# Altium PCB PCB1.PcbDoc
Units mil, origin at the board's own origin, x right, y up, seen from the top; angles counter-clockwise.
Board outline 3346.46 x 1771.65 mil, 2 copper layers (Top Layer, Bottom Layer); 34 components, 31 nets, 165 pads, 25 vias.
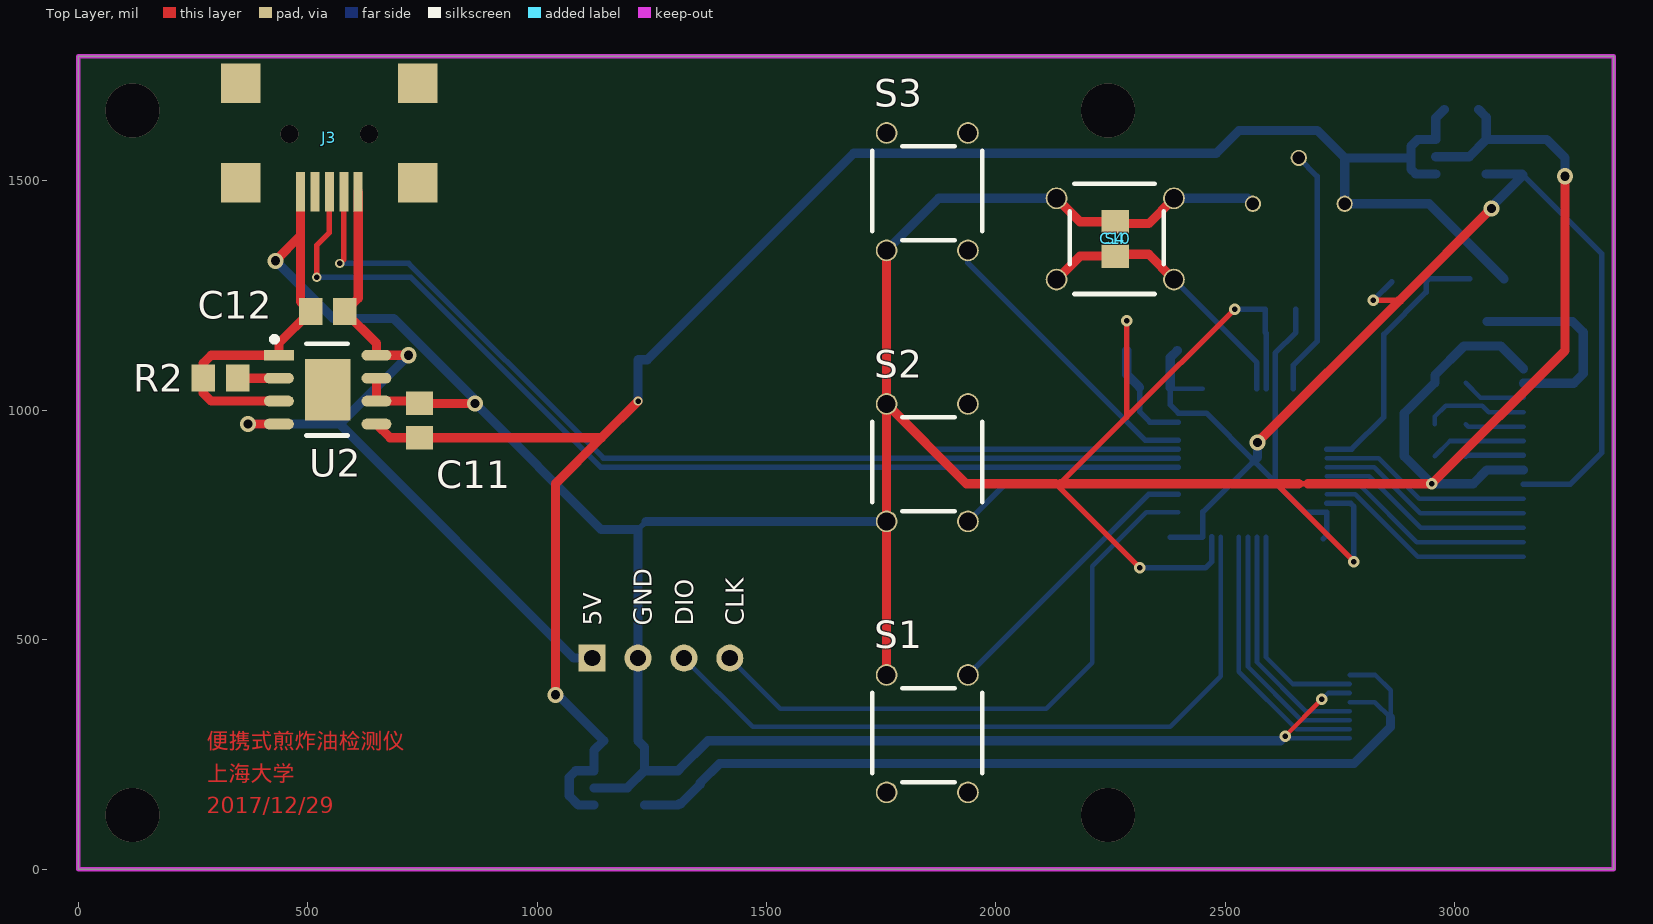
[diagram p0: Top Layer view]
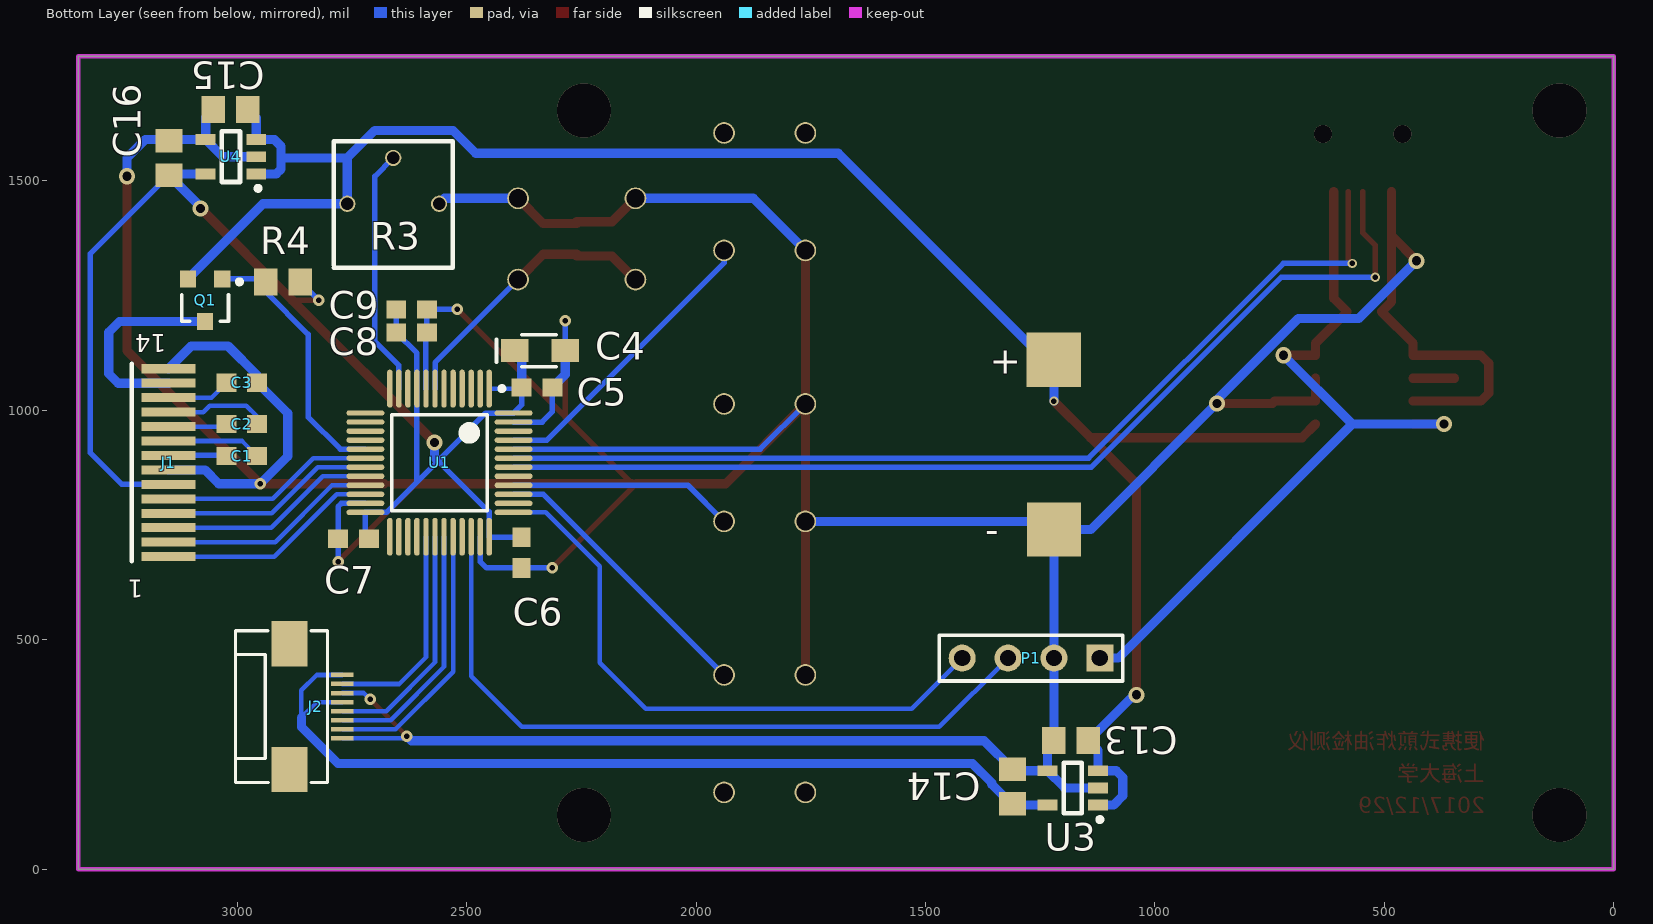
[diagram p1: Bottom Layer view, seen from below]

## Layer stack, top to bottom
Top Solder: solder mask 0.4, Solder Resist, Dk 3.5
Top Layer: signal copper 1.4
Dielectric 1: dielectric 12.6, FR-4, Dk 4.8
Bottom Layer: signal copper 1.4
Bottom Solder: solder mask 0.4, Solder Resist, Dk 3.5

## Board outline
0,0 3346.46,0 3346.46,1771.65 0,1771.65

## Design rules (kind name [scope] priority, off if disabled: settings)
Clearance Clearance_1 [InPolygon] p1: gap=20 ignorepadtopadclearanceinfootprint=FALSE
Clearance [All] p2: gap=6 ignorepadtopadclearanceinfootprint=FALSE
ComponentClearance [All] p1: gap=0 collisioncheckmode=3 verticalgap=0 showdistances=FALSE
PolygonConnect [All] p1: connectstyle=Relief reliefconductorwidth=10 reliefentries=4 polygonreliefangle="90 Angle" airgapwidth=10
RoutingVias [All] p1: holewidth=15.75 width=27.56 viastyle="Through Hole" minholewidth=12 minwidth=20 maxholewidth=1000 maxwidth=1000
SolderMaskExpansion [All] p1: expansion=4
Width [All] p1: maxlimit=100 minlimit=10 preferedwidth=10
29 further rules are at their usual default settings.

## Classes and differential pairs
component class 电源: + - C11 C12 C13 C14 C15 C16 C20 J3 P1 Q1 R2 R3 R4 U2 U3 U4 U6
component class 主控: C4 C5 C6 C7 C8 C9 C10 J2 S1 S2 S3 S4 U1
component class LCD: C1 C2 C3 J1

## Components (designator, comment, footprint, x,y, rotation, side; value= is the part's Value field where it differs from the comment)
+ "pad" PAD_3X3 1220,1110 r180 bottom (schematic designator J4)
- "pad" PAD_3X3 1219.49,740 r180 bottom (schematic designator J5)
C1 "Cap" 0603-2 2990,900 r180 bottom value=1uF
C2 "Cap" 0603-2 2990,970 r180 bottom value=1uF
C3 "Cap" 0603-2 2990,1060 r180 bottom value=1uF
C4 "Cap Pol" CAP-3216 2340,1130 r180 bottom value=10uf
C5 "Cap" 0603-2 2346.54,1050 r180 bottom value=100nF
C6 "Cap" 0603-2 2380,690 r270 bottom value=100nF
C7 "Cap" 0603-2 2746.54,720 r0 bottom value=100nF
C8 "Cap" 0603-2 2620,1170 r0 bottom value=1uF
C9 "Cap" 0603-2 2620,1220 r0 bottom value=100nF
C10 "Cap" 0805-2 2260,1373.46 r90 top value=100nF
C11 "Cap" 0805-2 743.7,977.6 r270 top value=10uF
C12 "Cap" 0805-2 543.7,1215 r180 top value=10uF
C13 "Cap" 0805-2 1182.6,280 r0 bottom value=1uF
C14 "Cap" 0805-2 1310,180 r270 bottom value=1uF
C15 "Cap" 0805-2 3014.57,1655.55 r0 bottom value=1uF
C16 "Cap" 0805-2 3148.7,1550 r270 bottom value=1uF
J1 "JLX12864" JLX12864 3149.61,885.83 r0 bottom locked
J2 "FPC-8P" FPC0.5-8P-C 2795.28,354.33 r0 bottom locked
J3 "MiniUSB" "MINI USB" 547.24,1476.38 r180 top locked
P1 "Header 4" HDR1X4 1120,460 r0 bottom
Q1 "SI2301" SOT-23 3070,1240 r0 bottom
R2 "Res1" 0805-2 310,1070 r0 top value=470K
R3 "3362" 3362P 2560,1450 r0 bottom value=100k
R4 "Res1" 0805-2 2900,1280 r0 bottom value=470K
S1 "SW_6x6" BUTTON_6X6 1850.39,295.28 r90 top locked
S2 "SW_6x6" BUTTON_6X6 1850.39,885.83 r90 top locked
S3 "SW_6x6" BUTTON_6X6 1850.39,1476.38 r90 top locked
S4 "SW_6x6" BUTTON_6X6 2260,1373.46 r180 top
U1 "STM32F103C" LQFP-48_M 2559.06,885.83 r270 bottom locked
U2 "TP4056" SOP-8-PP 437.4,1120 r0 top
U3 "LP5907MF-x.x" SOT-23-5 1180,180 r0 bottom
U4 "LP5907MF-x.x" SOT-23-5 3014.57,1555.55 r0 bottom

## Footprints (in the part's own frame and the unit in brackets; to place one, negate y for a bottom-side part, rotate by r counter-clockwise, add the part's x,y. Pads: shape width x height; smd on the part's side, far side on the other; paste and mask are expansions set on the pad)
0603-2 [mm] "贴片无丝印"
  rect 1.1x1 smd: 1(-0.85,0) 2(0.85,0)
0805-2 [mm] "贴片无丝印"
  rect 1.3x1.5 smd: 1(-0.95,0) 2(0.95,0)
3362P [mm] "精密可调电阻"
  round 0.9 hole 0.7: 1(0,0) 2(2.54,-2.54) 3(5.08,0)
  silkscreen extent -0.76,-3.47 5.84,3.53, body extent -0.76,-3.49 5.84,3.49, height 4.7
BUTTON_6X6 [mm] "轻触开关6x6"
  round 1.2 hole 1: 1(-3.25,2.25) 2(3.25,2.25) 3(-3.25,-2.25) 4(3.25,-2.25)
  silkscreen extent -2.69,-3.05 2.52,3.05
CAP-3216 [mil] "钽电容"
  rect 60x50 smd: 1(-55,0) 2(55,0)
  silkscreen extent -95,-35 35,35
FPC0.5-8P-C [mm] "FPC连接器母座，0.5mm间距，8P,掀盖式"
  rect 1.25x0.25 smd: 1(-0.625,1.75) 2(-0.625,1.25) 3(-0.625,0.75) 4(-0.625,0.25) 5(-0.625,-0.25) 6(-0.625,-0.75) 7(-0.625,-1.25) 8(-0.625,-1.75)
  rect 2x2.5 smd: A(2.3,-3.475) B(2.3,3.475)
  silkscreen extent 0.2,-4.2 5.3,4.2, body extent 0.2,-4.18 5.3,4.2, height 2
HDR1X4 [mm] "Connector; Header; 4 Position"
  rect 1.5x1.5 hole 0.9: 1(0,0)
  round 1.5 hole 0.9: 2(2.54,0) 3(5.08,0) 4(7.62,0)
  silkscreen extent -1.27,-1.27 8.89,1.27
JLX12864 [mm] "12864点阵屏FPC引脚"
  rect 3x0.5 smd: 1(0,5.2) 1(0,5.2) 2(0,4.4) 3(0,3.6) 4(0,2.8) 5(0,2) 6(0,1.2) 7(0,0.4) 8(0,-0.4) 9(0,-1.2) 10(0,-2) 11(0,-2.8) 12(0,-3.6) 13(0,-4.4) 14(0,-5.2)
  silkscreen extent 2.03,-5.47 2.03,5.45
LQFP-48_M [mm] "Thin QFP, 48-Leads, Body 7x7mm, Pitch 0.5mm, IPC Low Density"
  oval 2.1x0.3 smd: 1(-4.1,2.75) 2(-4.1,2.25) 3(-4.1,1.75) 4(-4.1,1.25) 5(-4.1,0.75) 6(-4.1,0.25) 7(-4.1,-0.25) 8(-4.1,-0.75) 9(-4.1,-1.25) 10(-4.1,-1.75) 11(-4.1,-2.25) 12(-4.1,-2.75) 25(4.1,-2.75) 26(4.1,-2.25) 27(4.1,-1.75) 28(4.1,-1.25) 29(4.1,-0.75) 30(4.1,-0.25) 31(4.1,0.25) 32(4.1,0.75) 33(4.1,1.25) 34(4.1,1.75) 35(4.1,2.25) 36(4.1,2.75)
  oval 0.3x2.1 smd: 13(-2.75,-4.1) 14(-2.25,-4.1) 15(-1.75,-4.1) 16(-1.25,-4.1) 17(-0.75,-4.1) 18(-0.25,-4.1) 19(0.25,-4.1) 20(0.75,-4.1) 21(1.25,-4.1) 22(1.75,-4.1) 23(2.25,-4.1) 24(2.75,-4.1) 37(2.75,4.1) 38(2.25,4.1) 39(1.75,4.1) 40(1.25,4.1) 41(0.75,4.1) 42(0.25,4.1) 43(-0.25,4.1) 44(-0.75,4.1) 45(-1.25,4.1) 46(-1.75,4.1) 47(-2.25,4.1) 48(-2.75,4.1)
  silkscreen extent -4.22,-2.65 2.65,3.57, body extent -3.5,-3.5 3.5,3.5, height 1.6
"MINI USB" [mm]
  rect 2.2x2.2 smd: 0(-4.9,-0.5) 0(-4.9,-6) 0(4.9,-0.5) 0(4.9,-6)
  rect 0.5x2.2 smd: 1(-1.6,0) 2(-0.8,0) 3(0,0) 4(0.8,0) 5(1.6,0)
PAD_3X3 [mm]
  rect 3x3 smd: 1(-0.013,0)
SOP-8-PP [mm]
  rect 2.5x3.4 smd: 0(2.7,-1.905)
  rect 1.65x0.6 smd: 1(0,0)
  oval 1.65x0.6 smd: 2(0,-1.27) 3(0,-2.54) 4(0,-3.81) 5(5.4,-3.81) 6(5.4,-2.54) 7(5.4,-1.27) 8(5.4,0)
  silkscreen extent -0.4,-4.44 3.81,1.03, body extent -0.45,-4.42 5.75,0.58, height 1.75
SOT-23 [mm]
  rect 0.9x0.95 smd: 1(-0.95,-1.175) 2(0.95,-1.175) 3(0,1.175)
  silkscreen extent -2.03,-1.14 1.3,1.18
SOT-23-5 [mm]
  rect 1.1x0.6 smd: 1(-1.425,1.025) 2(-1.425,0.075) 3(-1.425,-0.875) 4(1.375,-0.875) 5(1.375,1.025)
  silkscreen extent -1.65,-1.32 0.47,1.95

## Part data
+ -: library part pad_3x3, "焊盘接口"
C1 C2 C3 C5 C6 C7 C8 C9 C10 C11 C12 C13 C14 C15 C16: "无极性电容", LatestRevisionDate=17-Jul-2002, LatestRevisionNote="Re-released for DXP Platform.", PackageReference=RAD-0.3, Published=8-Jun-2000, Publisher="Altium Limited"
C4: "极性电解电容", LatestRevisionDate=17-Jul-2002, LatestRevisionNote="Re-released for DXP Platform.", PackageReference=RB7.6-15, Published=8-Jun-2000, Publisher="Altium Limited", Vol=16V
J1: "12864点阵屏"
J2: "FPC排线连接器"
J3: "MiniUSB母座"
P1: "Header, 4-Pin", LatestRevisionDate=17-Jul-2002, LatestRevisionNote="Re-released for DXP Platform.", Publisher="Altium Limited"
Q1: "PMOS"
R2 R4: "贴片电阻", LatestRevisionDate=17-Jul-2002, LatestRevisionNote="Re-released for DXP Platform.", PackageReference=AXIAL-0.4, Published=8-Jun-2000, Publisher="Altium Limited"
R3: "精密可调单圈电阻器"
S1 S2 S3 S4: library part button_6x6, "轻触开关"
U1: "STM32单片机48引脚"
U2: "锂电池充电管理"
U3 U4: "LDO线性稳压器"

## Via types
v1: diameter 25, hole 12, Top Layer to Bottom Layer, 8 vias
v2: diameter 35, hole 20, Top Layer to Bottom Layer, 8 vias
v3: diameter 118.11, hole 118.11, Top Layer to Bottom Layer, 4 vias
v4: diameter 20, hole 12, Top Layer to Bottom Layer, 3 vias
v5: diameter 39.37, hole 39.37, Top Layer to Bottom Layer, 2 vias

## Nets (pads, with @x,y where several pads share a name; then routed paths per layer and width w, separated by ;. In a path a pad name is that pad's centre, name@x,y a point inside that pad or via, vN(x,y) a via of type N, cw(c..) or ccw(c..) an arc to the next point about the centre after c; other vN are vias at no path point)
3.0V: C14.2 J2.5 J2.8 U3.5 | length 1984.7
  Bottom Layer w10: J2.5 2825.83,364.17 2860,330 2860,390 2826.77,423.23 J2.8
  Bottom Layer w20: U3.5 1307.05,139.65 C14.2 1312.94,142.6 1355.53,185.18 1355.53,188.13 1397.4,230 2780,230 2860,310 2860,330
3.3V: C4.1 C5.1 C6.1 C7.1 C8.2 C9.2 C16.2 J1.6 R4.1 U1.1 U1.9 U1.24 U1.36 U1.48 U4.5 | length 3307.7
  Top Layer w12: v1(2822.6,1240) 2880,1240
  Top Layer w20: v2(2570,930) 2880,1240 v2(3080,1440)
  Bottom Layer w10: C5.1 2382.76,1047.24 U1.1
  Bottom Layer w12: C6.1 2449.84,723.46 U1.36 2450.98,724.6 2450.98,778.49 2562.49,890 ; C5.1 2380,1011.73 U1.48 2458.39,994.09 2562.49,890 ; C9.2 C8.2 2608.27,1124.8 U1.9 2608.27,844.22 ; C7.1 2720.47,727.4 U1.24 2674.93,777.56 2608.27,844.22 ; v1(2822.6,1240) R4.1 ; C16.2 3320,1341.3 3320,907.17 3251.42,838.58 J1.6 ; 2562.49,890 2608.27,844.22
  Bottom Layer w20: C5.1 2380,1115 C4.1 ; 2562.49,890 2570,897.51 v2(2570,930) ; U4.5 3146.1,1515.2 C16.2 3080,1443.9 v2(3080,1440)
4.2V: +.1 C11.2 C13.1 C15.1 Q1.2 R3.3 U2.5 U3.1 U3.3 U4.1 U4.3 | length 4363.4
  Top Layer w20: U2.5 679.8,940.2 C11.2 1140.2,940.2 ; v2(1040,380) 1040,840 1140.2,940.2 ; v4(1220,1020) 1140.2,940.2
  Bottom Layer w20: v2(1040,380) 1045.2,380 C13.1 1123.9,258.7 U3.3 1084.45,214.45 1070,200 1070,160 1090.35,139.65 U3.1 ; v4(1220,1020) 1220,1109.49 +.1 1240,1110 1690,1560 2480,1560 2530,1610 2700,1610 2760,1550 ; U4.1 2914.92,1515.2 2904.57,1525.55 2904.57,1550.55 ; C15.1 2958.46,1636.85 U4.3 2919.02,1590 2904.57,1575.55 2904.57,1550.55 ; Q1.2 2943.66,1450 R3.3 2760,1550 ; 2760,1550 2904.02,1550 2904.57,1550.55
5V: C12.1 J3.1 P1.1 U2.4 U2.8 | length 1707.8
  Top Layer w20: v2(370,970) U2.4 ; J3.1 610.24,1244.13 C12.1 650,1146.1 U2.8 v2(720,1120)
  Bottom Layer w20: v2(370,970) 570,970 ; v2(720,1120) 570,970 ; P1.1 1080,460 570,970
ADC: R3.2 U1.11 | length 541
  Bottom Layer w12: U1.11 2647.64,1097.64 2700,1150 2700,1510 R3.2
CS: J1.1 U1.22 | length 485.4
  Bottom Layer w10: U1.22 2783.07,816.93 2918.9,681.1 J1.1@3149.61,681.1
GND: -.1 C3.2 C4.2 C5.2 C6.2 C7.2 C8.1 C9.1 C10.2 C11.1 C12.2 C13.2 C14.1 C15.2 C16.1 J1.7 J1.14 J2.1 J2.6 J3.5 P1.2 R2.1 R3.1 S1.2 S2.1 S2.2 S3.1 S4.3 S4.4 U1.8 U1.23 U1.35 U1.44 U1.47 U2.1 U2.3 U2.6 U2.7 U3.2 U3.4 U4.2 U4.4 | length 13043.2
  Top Layer w10: v1(2630,290) v1(2710,370)
  Top Layer w12: v1(2285,1195) 2285,985 ; v1(2313.46,656.54) 2130,840 2140,840 2285,985 ; v1(2520,1220) 2285,985 ; 2610,840 v1(2780,670) ; 2660,840 2680,840
  Top Layer w20: v2(430,1325.75) 484.25,1380 ; U2.3 290,1020 272.6,1037.4 R2.1 272.6,1102.6 290,1120 U2.1 437.4,1146.1 C12.2 484.25,1237.05 484.25,1380 ; J3.5 484.25,1380 ; U2.7 U2.6 738.7,1020 C11.1 v2(865,1015) ; S1.2 S2.1 S2.2 ; S3.1 S2.2 ; 2130,840 1935.59,840 S2.2 ; S4.4 2183.23,1410.87 C10.2 ; 2140,840 2610,840 2660,840 ; C10.2@2260,1406.93 2332.83,1406.93 S4.3 ; 2680,840 v1(2950,840) 3240,1130 v2(3240,1510)
  Bottom Layer w10: v1(2630,290) 2634.57,285.43 J2.1 ; v1(2710,370) 2723.86,383.86 J2.6
  Bottom Layer w12: -.1 -.1@1237.87,757.87 ; S2.2 1860.24,915.35 U1.44 ; C4.2 v1(2285,1195) ; C5.2 2313.07,996.93 2335.59,974.41 U1.47 ; v1(2313.46,656.54) C6.2 2456.54,656.54 2470.47,670.47 U1.35 ; v1(2520,1220) C9.1 C8.1 2588.58,1167.95 U1.8 ; U1.23 2772.76,797.24 2780,790 C7.2 v1(2780,670)
  Bottom Layer w20: v2(430,1325.75) 555.75,1200 687.38,1200 865,1022.38 v2(865,1015) 1140,740 -.1 P1.2 C13.2 1234.13,265.87 U3.4 ; U3.2 1196.73,177.05 U3.4 ; -.1@1237.87,757.87 S2.1 ; S3.1 1875.43,1462.05 S4.4 ; C4.2 2285,1078.07 C5.2 ; S4.3 2547.95,1462.05 R3.1 ; v1(2630,290) 2620,280 1372.6,280 C14.1 1307.05,214.45 U3.4 ; U4.2 3031.3,1552.6 U4.4 ; C15.2 3068.7,1638.82 U4.4 ; J1.7 3070.08,870.08 3040,840 v1(2950,840) 2890,900 2890,993.46 C3.2 2956.54,1076.54 3020,1140 3100.16,1140 J1.14 ; v2(3240,1510) 3240,1550 3200,1590 U4.4
KEY1: S1.4 U1.39 | length 621.7
  Bottom Layer w12: S1.4 2332.68,816.93 U1.39
KEY2: S2.3 U1.40 | length 491.3
  Bottom Layer w12: S2.3 2017.72,836.61 U1.40
KEY3: S3.3 U1.45 | length 645.9
  Bottom Layer w12: S3.3 1938.98,1321.02 2324.96,935.04 U1.45
LED_CON: Q1.1 R4.2 U1.17 | length 584.4
  Bottom Layer w12: U1.17 2775.35,915.35 2845.35,985.35 2845.35,1165.35 2937.4,1257.4 R4.2 2943.66,1286.26 Q1.1
LED_VCC: J1.13 Q1.3 | length 448.9
  Bottom Layer w20: Q1.3 3256.26,1193.74 3280,1170 3280,1080 3259.06,1059.06 J1.13
NetC1_1: C1.1 J1.8 | length 126.8
  Bottom Layer w12: C1.1 3025.04,901.57 J1.8
NetC1_2: C1.2 J1.9 | length 206.8
  Bottom Layer w10: C1.2 2989.61,933.07 J1.9
NetC2_1: C2.1 J1.10 | length 128.4
  Bottom Layer w10: C2.1 3028.9,964.57 J1.10
NetC2_2: C2.2 J1.11 | length 225.1
  Bottom Layer w10: C2.2 2956.54,986.54 2980,1010 3060,1010 3073.94,996.06 J1.11
NetC3_1: C3.1 J1.12 | length 139.6
  Bottom Layer w10: C3.1 3055.91,1027.56 J1.12
NetR2_2: R2.2 U2.2 | length 90
  Top Layer w20: R2.2 U2.2
NRST: C10.1 S4.1 S4.2 U1.7 | length 612.5
  Top Layer w20: S4.2 2183.23,1336.06 C10.1 ; C10.1@2260,1340 2332.83,1340 S4.1
  Bottom Layer w12: S4.1 2568.9,1103.94 U1.7
P_CS: J2.3 U1.31 | length 553.1
  Bottom Layer w10: U1.31 2549.21,440.79 2665.2,324.8 J2.3
P_MISO: J2.7 U1.29 | length 469.1
  Bottom Layer w10: U1.29 2588.58,461.42 2646.46,403.54 J2.7
P_MOSI: J2.2 U1.32 | length 587
  Bottom Layer w10: U1.32 2529.53,430.47 2654.88,305.12 J2.2
P_SCK: J2.4 U1.30 | length 519.2
  Bottom Layer w10: U1.30 2568.9,451.1 2675.51,344.49 J2.4
RS: J1.3 U1.20 | length 475.6
  Bottom Layer w10: U1.20 2813.7,856.3 2925.91,744.09 J1.3
RST: J1.2 U1.21 | length 480.5
  Bottom Layer w10: U1.21 2793.39,836.61 2917.4,712.6 J1.2
RX: J3.2 U1.43 | length 2163.4
  Top Layer w12: v4(570,1320) 578.74,1328.74 J3.2
  Bottom Layer w12: v4(570,1320) 720,1320 1144.33,895.67 U1.43
SCK: J1.4 U1.19 | length 470.7
  Bottom Layer w10: U1.19 2824.02,875.98 2924.41,775.59 J1.4
SDA: J1.5 U1.18 | length 465.8
  Bottom Layer w10: U1.18 2834.33,895.67 2922.91,807.09 J1.5
SWCLK: P1.4 U1.37 | length 1323.3
  Bottom Layer w10: P1.4 1530,350 2110,350 2210,450 2210,660 2327.56,777.56 U1.37
SWDIO: P1.3 U1.34 | length 1582.2
  Bottom Layer w10: P1.3 1470,310 2380,310 2490.16,420.16 U1.34
TX: J3.3 U1.42 | length 2246.8
  Top Layer w12: v4(520,1290) 520,1360 547.24,1387.24 J3.3
  Bottom Layer w12: v4(520,1290) 724.54,1290 1138.56,875.98 U1.42
pads on no net: J2.A J2.B J3.0 J3.4 S1.1 S1.3 S2.4 S3.2 S3.4 U1.2 U1.3 U1.4 U1.5 U1.6 U1.10 U1.12 U1.13 U1.14 U1.15 U1.16 U1.25 U1.26 U1.27 U1.28 U1.33 U1.38 U1.41 U1.46 U2.0
copper on no net:
  other v3: 118.11,118.11 2244.09,118.11 118.11,1653.54 2244.09,1653.54
  other v5: 460.63,1602.36 633.86,1602.36

## Keep-outs
Keep-Out Layer:
  the board outline again, w10

## Other copper
Top Layer:
  text "便携式煎炸油检测仪" at 280,250 h60
  text "上海大学" at 280,180 h60
  text "2017/12/29" at 280,110 h60

## Silkscreen, mask and mechanical layers (free items; w line width, h text height)
Top Overlay:
  text "5V" at 1140,530 h40 r90
  text "GND" at 1250,530 h40 r90
  text "DIO" at 1340,530 h40 r90
  text "CLK" at 1450,530 h40 r90
Top Solder:
  text "便携式煎炸油检测仪" at 280,250 h60
  text "上海大学" at 280,180 h60
  text "2017/12/29" at 280,110 h60

## Text inside footprints (layer, text, board x,y; h text height)
J1: Bottom Overlay "1" at 3204.61,631.1 h39.37 r180; Bottom Overlay "14" at 3154.61,1166.1 h39.37 r180